# Altium PCB 蓝桥1.4.PcbDoc (part 2 of 2)
Units mm, origin at the board's own origin, x right, y up, seen from the top; angles counter-clockwise.
Board outline 175.02 x 129.02 mm, 2 copper layers (Top Layer, Bottom Layer); 128 components, 128 nets, 604 pads, 147 vias.
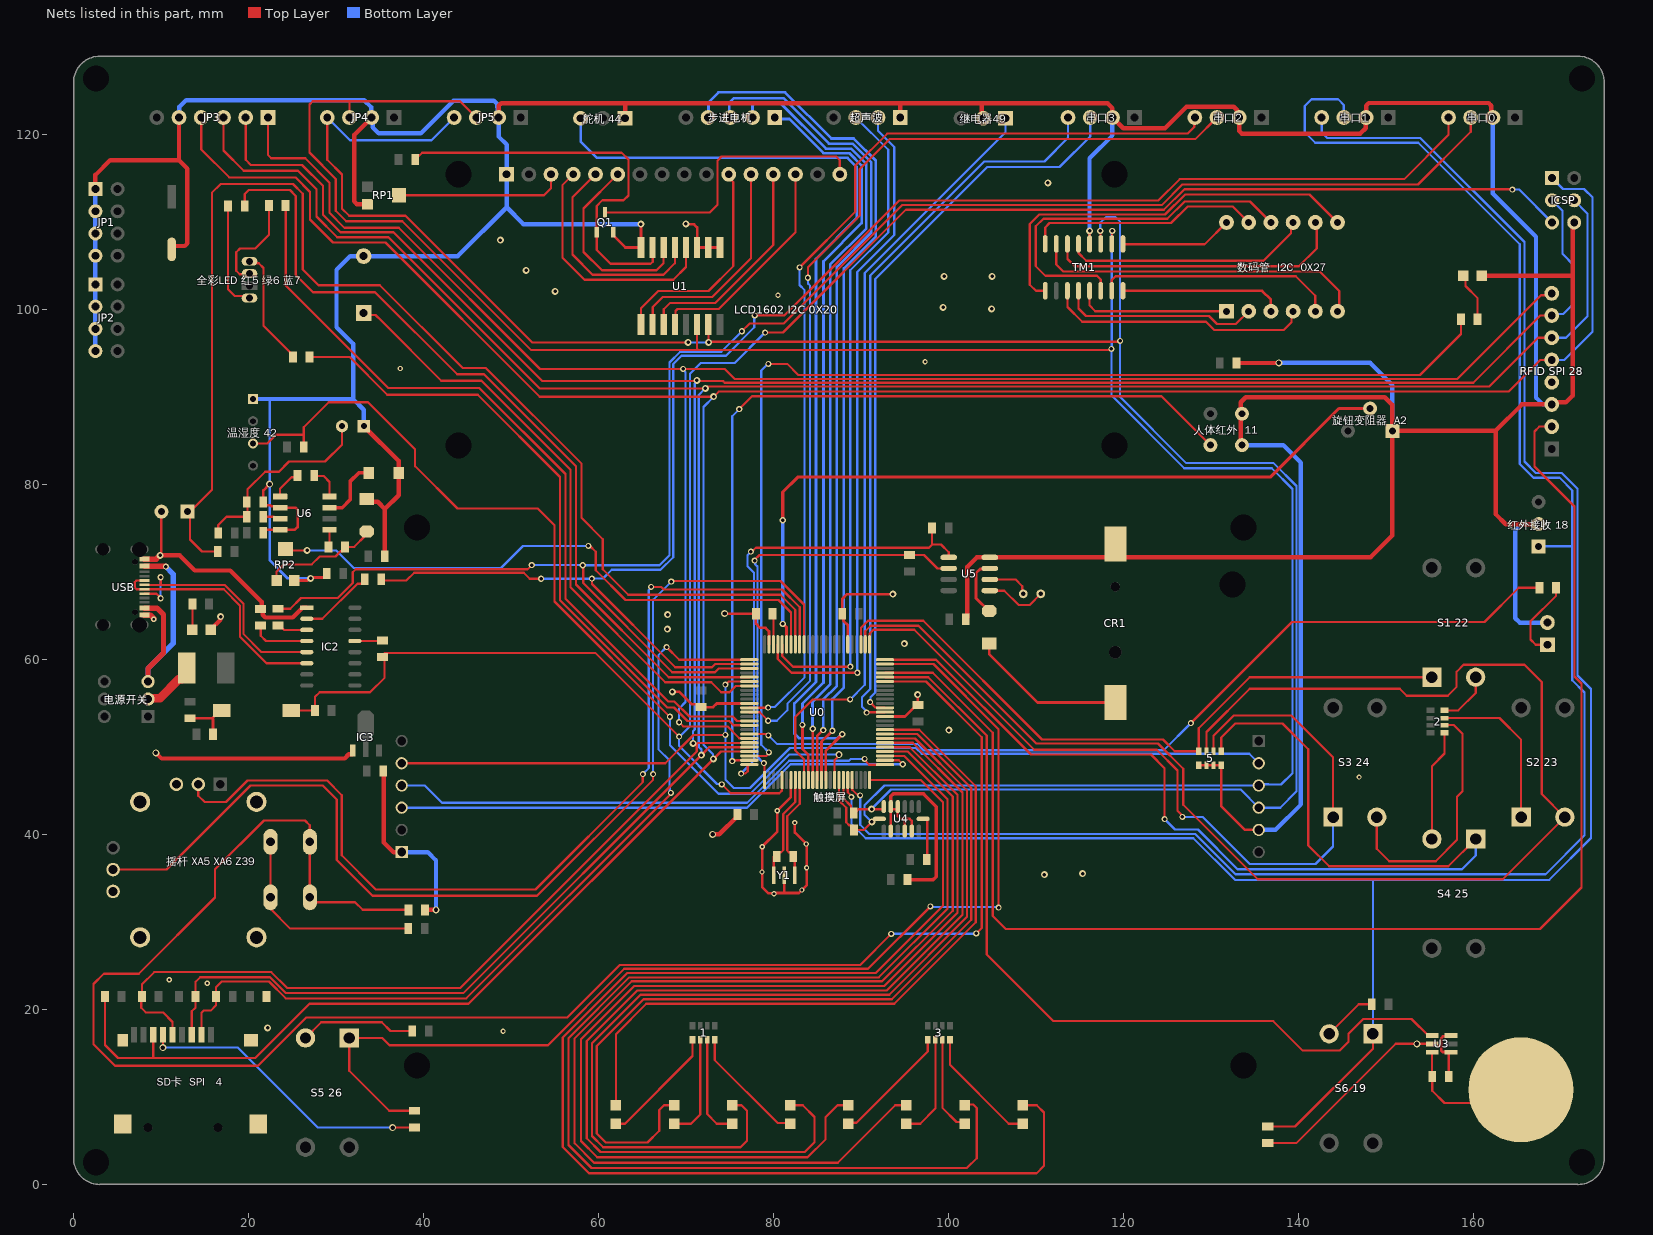
[diagram p2: the nets of this part, all layers, seen from the top]

## Via types
v1: diameter 0.7, hole 0.4, Top Layer to Bottom Layer, 70 vias
v2: diameter 0.8, hole 0.4, Top Layer to Bottom Layer, 51 vias
v3: diameter 0.6, hole 0.3, Top Layer to Bottom Layer, 16 vias
v4: diameter 0.8, hole 0.5, Top Layer to Bottom Layer, 10 vias

## Nets (pads, with @x,y where several pads share a name; then routed paths per layer and width w, separated by ;. In a path a pad name is that pad's centre, name@x,y a point inside that pad or via, vN(x,y) a via of type N, cw(c..) or ccw(c..) an arc to the next point about the centre after c; other vN are vias at no path point) (continued)
GND: 5.1 5.2 5.3 5.4 "LCD1602 I2C 0X20.1" "RFID SPI 28.3" "RFID SPI 28.4" "SD卡  SPI   4.6" "SD卡  SPI   4.10" "人体红外  11.1" "人体红外  11.2" "声音   A3.1" "摇杆 XA5 XA6 Z39.1" "摇杆 XA5 XA6 Z39.2" "摇杆 XA5 XA6 Z39.3" "摇杆 XA5 XA6 Z39.3_VR1" "摇杆 XA5 XA6 Z39.3_VR2" "摇杆 XA5 XA6 Z39.4" "旋钮变阻器  A2.1" "温湿度 42.4" "红外发射  9.2" "红外接收 18.2" "舵机 44.1" "蜂鸣器  3.2" C2.1 C3.1 C6.1 C7.2 C8.2 C9.2 C10.2 C11.1 C13.1 C14.1 C15.2 C16.1 C17.2 C18.1 C19.1 C20.2 C21.1 CA1.2 CR1.2 DZ1.1 E1.2 IC2.1 IC3.1 ICSP.6 JP1.1 JP1.3 JP1.5 JP1.7 JP2.1 JP2.3 JP2.5 JP2.7 JP3.5 JP4.2 JP5.2 LED9.2 LED10.2 PC1.1 Q1.2 R21.2 R22.1 R23.1 REST.2 RP1.3 RP2.3 TM1.4 U0.11 U0.32 U0.62 U0.81 U0.99 U1.1 U1.2 U1.3 U1.8 U3.2 U3.4 U3.6 U4.2 U4.4 U4.5 U4.11 U4.12 U5.4 U6.2 U6.4 USB.A1-B12 USB.B1-A12 Y1.2 串口0.2 串口1.2 串口2.2 串口3.2 光敏.2 继电器49.2 触摸屏.1 触摸屏.8 超声波.1 | length 948.1
  Top Layer w0.254: v4(10.2,15.65) 10.2,17.127 ; v4(36.475,6.5) 36.5,6.525 R22.1@38.975,6.525 ; R23.1@136.525,4.725 139.8,4.725 151.15,16.075 v4(153.575,16.075)
  Top Layer w0.305: v2@9.825,71.975 10.025,72.175 光敏.2@10.025,76.925 ; CA1.2@11.195,106.93 CA1.2@11.2,106.925 ; C11.1@13.275,53.3 15.813,53.3 ; C2.1@15.925,51.475 15.925,53.188 15.813,53.3 ; REST.2@16.938,54.175 16.688,54.175 15.813,53.3 ; C3.1@21.676,74.51 21.676,74.527 21.993,74.845 U6.4@23.6,74.845 25.27,74.845 25.6,75.175 25.6,77.15 25.365,77.385 U6.2@23.6,77.385 23.454,77.531 22.594,77.531 22.45,77.675 22.043,77.675 C16.1@21.725,77.993 ; C16.1@21.676,78.05 21.676,79.351 v4(22.4,80.075) ; RP2.3@25.2,69.05 26.716,69.05 26.966,69.3 v2(27.1,69.3) 27.192,69.392 28.633,69.392 28.925,69.684 C15.2@28.925,69.875 ; Q1.2@61.7,108.857 61.7,108.507 63.082,107.125 U1.8@64.88,107.125 64.865,107.14 64.865,109.785 v2(64.85,109.8) v2@64.862,109.812 ; v2(68.45,56.325) 69.25,56.325 70.682,54.893 71.407,54.893 C8.2@71.725,54.575 73.1,54.575 73.525,55 U0.11@77.253,55 ; v2@69.987,109.812 v2(70,109.825) 70.05,109.775 70.925,109.775 71.28,109.42 U1.3@71.28,107.125 U1.2@72.55,107.125 U1.1@73.87,107.125 ; v4(74.425,65.275) 74.45,65.25 C6.1@78,65.25 78,64.125 78.475,63.65 79.1,63.65 79.506,63.244 U0.99@79.506,61.752 ; v3@78.725,38.45 78.725,34 79.438,33.287 80.037,33.287 80.075,33.325 81.3,33.325 ; v3(78.725,38.613) 80.45,40.338 80.45,42.75 82.006,44.306 U0.32@82.006,46.248 ; Y1.2@81.25,35.35 81.25,33.375 81.3,33.325 ; v3(82.45,41.375) 82.45,40.25 83.8,38.9 v3(83.8,36.2) 83.8,34.2 v3(83.263,33.663) 82.925,33.325 81.3,33.325 ; U0.81@88.506,61.752 88.506,63.944 88.025,64.425 88.025,65.1 C10.2@87.875,65.25 87.875,66.95 88.425,67.5 v2(93.675,67.5) ; U0.62@92.758,53.5 95.035,53.5 96.36,54.825 C9.2@96.55,54.825 96.5,54.875 v2(96.5,56) ; U4.2@93.425,40.702 93.425,42.897 94.225,42.897 94.225,42.125 94.55,41.8 95.025,41.8 ; U4.4@95.025,40.702 95.025,41.8 ; U4.5@95.825,40.702 95.825,41.55 95.575,41.8 95.025,41.8 ; v2(116.15,109.025) 116.155,109.02 116.155,107.547 TM1.4@116.16,107.542 ; 5.1@128.645,47.925 5.2@129.525,47.925 5.3@130.325,47.925 5.4@131.205,47.925 131.205,43.245 133.91,40.54 触摸屏.8@135.5,40.54 ; v4(153.575,16.075) 153.582,16.068 U3.2@155.321,16.068 155.469,15.92 156.325,15.92 ; C19.1@157.225,12.35 157.225,14.97 157.373,15.118 U3.4@157.471,15.118 157.439,15.15 156.5,15.15 156.35,15.3 156.35,16.7 156.575,16.925 157.378,16.925 U3.6@157.471,17.018
  Top Layer w0.406: U4.12@93.425,43.2 93.425,44.375 93.7,44.65 97.175,44.65 97.325,44.5 98.625,43.2 98.625,35.2 98.25,34.825 95.375,34.825 C17.2@95.325,34.875
  Top Layer w0.508: JP1.1@2.48,113.81 2.48,115.43 4.16,117.11 12.04,117.11 ; v4(9.4,49.35) 10.05,48.7 30.977,48.7 31.454,49.177 31.829,49.177 31.9,49.248 IC3.1@31.9,49.623 ; v2(9.875,71.925) 12.125,71.925 13.85,70.2 17.9,70.2 21.5,66.6 21.5,65.925 C14.1@21.375,65.8 ; CA1.2@11.2,106.925 11.2,107.073 11.427,107.3 12.702,107.3 13,107.598 13,116.15 12.04,117.11 ; JP3.5@12.04,122 12.04,117.11 ; LED10.2@15.65,63.45 16.744,64.544 16.744,64.869 v2(16.8,64.925) ; C14.1@21.6,65.61 21.6,65.123 21.898,64.825 25.036,64.825 26.156,65.945 IC2.1@26.648,65.945 ; 33.175,86.7 37.15,82.725 E1.2@37.15,81.35 37.15,78.8 35.575,77.225 ; DZ1.1@33.5,78.355 33.806,78.049 34.751,78.049 35.575,77.225 ; RP1.3@33.6,112.1 32.373,112.1 32.075,112.398 32.075,120.005 JP4.2@34.07,122 ; C13.1@35.45,47.5 35.45,44 35.45,39.1 36.575,37.975 37.475,37.975 触摸屏.1@37.5,38 ; PC1.1@35.575,71.825 35.575,77.225 ; R21.2@40.175,31.4 v4(41.425,31.4) ; JP5.2@48.58,122 48.58,123.327 48.878,123.625 63.05,123.625 63.04,123.615 ; 63.04,121.908 63.04,123.615 ; v4(73.05,40.025) 73.816,40.025 75.9,42.11 C7.2@75.9,42.3 ; 超声波.1@94.51,122 94.5,122.01 94.5,123.615 ; C20.2@102,64.625 102.183,64.808 102.183,70.608 103.28,71.705 U5.4@104.75,71.705 148.28,71.705 150.775,74.2 150.775,86.175 ; 继电器49.2@104,121.908 103.85,122.058 103.85,123.615 ; C21.1@132.95,93.925 137.775,93.925 v4(137.8,93.95) ; 133.571,84.529 133.425,84.675 133.425,89.425 134,90 149.9,90 150.775,89.125 150.775,86.175 ; LED9.2@161,103.9 171.35,103.9 171.4,103.85 ; 串口0.2@162.27,122 162.075,122.195 162.075,123.352 161.777,123.65 148.075,123.65 147.77,123.345 串口1.2@147.77,122 147.728,121.958 147.728,120.778 147.105,120.155 133.568,120.155 133.27,120.453 串口2.2@133.27,122 133.042,122.228 133.042,122.831 132.642,123.231 127.24,123.231 124.778,120.769 120.001,120.769 串口3.2@118.77,122 118.77,123.06 118.215,123.615 103.85,123.615 ; 167.5,75.5 163.725,75.5 162.575,76.65 162.575,86.175 ; ICSP.6@171.57,109.99 171.4,109.82 171.4,103.85 ; 63.04,123.615 94.5,123.615 ; 94.5,123.615 103.85,123.615 ; 150.775,86.175 162.575,86.175 ; 162.575,86.175 165.59,89.19 169,89.19 169.222,89.412 170.612,89.412 171.4,90.2 171.4,103.85
  Top Layer w0.635: USB.B1-A12@8.09,65.1 8.778,65.1 9.15,64.728 v3(9.15,64.625) ; USB.A1-B12@8.09,71.5 9.427,71.5 9.852,71.925 v2(9.875,71.925)
  Bottom Layer w0.254: v4(10.2,15.65) 18.763,15.65 27.913,6.5 v4(36.475,6.5)
  Bottom Layer w0.305: 22.375,89.81 22.4,89.785 v4(22.4,80.075) 22.4,71.375 24.475,69.3 v2(27.1,69.3)
  Bottom Layer w0.508: JP2.7@2.48,95.29 JP2.5@2.48,97.83 JP2.3@2.48,100.37 JP2.1@2.48,102.91 JP1.7@2.48,106.19 JP1.5@2.48,108.73 JP1.3@2.48,111.27 JP1.1@2.48,113.81 ; JP3.5@12.04,122 12.089,122.049 12.089,123.214 12.85,123.975 33.225,123.975 34.003,123.197 34.003,122.067 34.192,121.878 34.192,120.858 34.875,120.175 39.675,120.175 43.425,123.925 48.05,123.925 48.45,123.525 48.45,123.175 48.471,123.154 48.471,122.433 JP5.2@48.742,122.162 ; 20.5,89.81 22.375,89.81 31.94,89.81 ; 33.175,86.7 33.175,88.575 31.94,89.81 ; 触摸屏.1@37.5,38 40.475,38 41.425,37.05 v4(41.425,31.4) ; JP5.2@48.58,122 48.58,119.82 49.5,118.9 49.5,115.5 49.5,111.725 ; v2(64.85,109.8) 51.425,109.8 49.5,111.725 ; v2(116.15,109.025) 116.15,117.325 118.77,119.945 串口3.2@118.77,122 ; 133.571,84.529 138.321,84.529 140.325,82.525 140.325,43.45 137.415,40.54 触摸屏.8@135.5,40.54 ; v4(137.8,93.95) 148.225,93.95 150.775,91.4 150.775,86.175 ; 串口0.2@162.27,122 162.27,113.305 167.2,108.375 167.2,89.975 167.985,89.19 169,89.19 ; 167.5,75.5 165.525,75.5 164.825,74.8 164.825,64.748 165.328,64.245 168.5,64.245 ; 31.94,89.81 31.94,96.123 30.05,98.013 30.05,104.575 31.625,106.15 43.925,106.15 49.5,111.725
  other v2: 22.175,17.9 111,35.425 115.35,35.525 100.075,51.95 94.975,61.825 67.875,63.5 67.9,65.15 104.95,100.125 99.4,100.275 55.033,102.106 99.525,103.825 105.025,103.825 51.733,104.519 48.778,107.967 111.375,114.525
  other v3: 49.1,17.525 15.275,23 10.925,23.4 80.075,33.25 78.7,35.725 83.75,38.925 80.45,42.725 146.975,46.575 37.35,93.3 97.35,94.075 80.525,101.675
MISO: "RFID SPI 28.5" "SD卡  SPI   4.7" ICSP.1 JP3.4 R13.1 U0.22 | length 339.7
  Top Layer w0.254: R13.1@3.575,21.475 3.575,15.95 5.075,14.45 9.025,14.45 ; 9.1,17.127 9.1,14.525 9.025,14.45 ; JP3.4@14.58,122 14.58,118.345 17.775,115.15 25.35,115.15 27.025,113.475 27.025,110.325 29.65,107.7 35.65,107.7 53.275,90.075 v2(73.175,90.075) 73.75,90.65 164.05,90.65 167.67,94.27 169,94.27 ; U0.22@77.253,49.5 74,49.5 v2(73.15,48.65) 45.15,20.65 26.95,20.65 20.75,14.45 9.025,14.45
  Bottom Layer w0.254: v2(73.15,48.65) 73.089,48.711 73.089,49.186 72,50.275 72,88.9 v2(73.175,90.075) ; 169,94.27 170.42,94.27 173.675,97.525 173.675,112.85 172.7,113.825 170.275,113.825 ICSP.1@169.03,115.07
MOSI: "RFID SPI 28.6" "SD卡  SPI   4.3" ICSP.4 JP3.3 R11.1 U0.21 | length 314.7
  Top Layer w0.254: 13.5,17.127 13.5,19.8 13.941,20.241 R11.1@13.941,21.475 13.941,23.166 14.475,23.7 22.45,23.7 24.275,21.875 44.55,21.875 v2(71.775,49.1) 72.175,49.5 72.675,50 U0.21@77.253,50 ; JP3.3@17.12,122 17.12,118.23 19.45,115.9 25.65,115.9 27.75,113.8 27.75,110.675 30.125,108.3 36,108.3 53.3,91 v2@72.225,91 ; v2(72.225,91.025) 72.401,91.201 72.598,91.201 72.647,91.25 161.875,91.25 167.435,96.81 169,96.81
  Bottom Layer w0.254: v2(71.775,49.1) 71.775,49.725 71.475,50.025 71.475,90.275 v2(72.225,91.025) ; 169,96.81 170.635,96.81 173.1,99.275 173.1,111 ICSP.4@171.57,112.53
Net1_1: 1.1 LED1.1 | length 13.8
  Top Layer w0.254: LED1.1@62,6.95 63.025,6.95 70.75,14.675 1.1@70.75,16.55
Net1_2: 1.2 LED2.1 | length 12
  Top Layer w0.254: LED2.1@68.643,6.95 70.575,6.95 71.63,8.005 1.2@71.63,16.55
Net1_3: 1.3 LED3.1 | length 11.8
  Top Layer w0.254: 1.3@72.43,16.55 72.43,8.045 73.525,6.95 LED3.1@75.286,6.95
Net1_4: 1.4 LED4.1 | length 14
  Top Layer w0.254: 1.4@73.31,16.55 73.31,14.215 80.5,7.025 81.854,7.025 LED4.1@81.929,6.95
Net2_5: 2.5 "S4 25.2" | length 12.7
  Top Layer w0.254: 155.3,39.5 155.3,47.825 156.75,49.275 2.5@156.75,51.645
Net2_6: 2.6 "S3 24.2" | length 29.3
  Top Layer w0.254: 149,42 149,38.375 150.425,36.95 155.725,36.95 158.175,39.4 158.175,44.325 158.8,44.95 158.8,51.525 157.8,52.525 2.6@156.75,52.525
Net2_7: 2.7 "S2 23.1" | length 18.6
  Top Layer w0.254: 2.7@156.75,53.325 163.025,53.325 165.5,50.85 165.5,42
Net2_8: 2.8 "S1 22.2" | length 6.2
  Top Layer w0.254: 2.8@156.75,54.205 158.305,54.205 160.3,56.2 160.3,58
Net3_1: 3.1 LED5.1 | length 13.8
  Top Layer w0.254: LED5.1@88.571,6.95 88.671,7.05 89.5,7.05 97.645,15.195 3.1@97.645,16.55
Net3_2: 3.2 LED6.1 | length 11.9
  Top Layer w0.254: LED6.1@95.214,6.95 96.8,6.95 98.525,8.675 3.2@98.525,16.55
Net3_3: 3.3 LED7.1 | length 11.1
  Top Layer w0.254: 3.3@99.325,16.55 99.325,8.775 100.95,7.15 101.657,7.15 LED7.1@101.857,6.95
Net3_4: 3.4 LED8.1 | length 14
  Top Layer w0.254: 3.4@100.205,16.55 100.205,13.67 106.925,6.95 LED8.1@108.5,6.95
NetC6_2: C6.2 U0.98 | length 3.5
  Top Layer w0.254: C6.2@79.9,65.25 80.006,65.144 U0.98@80.006,61.752
NetC12_2: C12.2 IC2.13 | length 3
  Top Layer w0.254: IC2.13@32.152,62.135 C12.2@35.16,62.135
NetC14_2: C14.2 IC2.4 | length 6.7
  Top Layer w0.254: C14.2@21.375,63.9 21.375,62.75 21.99,62.135 IC2.4@26.648,62.135
NetC16_2: "声音   A3.2" C16.2 C23.1 R24.1 | length 22.8
  Top Layer w0.254: R24.1@16.525,74.5 16.525,75.4 17.475,76.35 C23.1@19.776,76.35 C23.1@19.825,76.3 ; C23.1@19.875,76.35 19.875,79.475 21.895,81.495 23.47,81.495 24.625,82.65 28.725,82.65 30.667,84.592 30.667,86.692 30.675,86.7
NetC19_2: "触摸按键  29.1" C19.2 U3.3 | length 15.8
  Top Layer w0.254: U3.3@155.321,15.118 155.321,12.354 C19.2@155.325,12.35 155.325,10.725 156.75,9.3 163.95,9.3 165.475,10.825
NetC22_1: C22.1 U6.8 | length 3.7
  Top Layer w0.254: C22.1@27.5,81.05 27.55,81 28.575,81 29.25,80.325 U6.8@29.25,78.655
NetC22_2: C22.2 U6.1 | length 3.5
  Top Layer w0.254: U6.1@23.6,78.655 23.6,79.55 24.91,80.86 25.41,80.86 C22.2@25.6,81.05
NetC23_2: C23.2 U6.3 | length 1.9
  Top Layer w0.254: C23.2@21.775,76.35 22.865,76.35 23.1,76.115 U6.3@23.6,76.115
NetC24_1: C24.1 U6.5 | length 2
  Top Layer w0.254: C24.1@29.125,72.9 29.25,73.025 U6.5@29.25,74.845
NetC24_2: C24.2 DZ1.2 RP2.1 | length 13.1
  Top Layer w0.254: RP2.1@23.2,69.05 23.2,70.051 24.049,70.9 27.225,70.9 28.125,71.8 29.925,71.8 30.517,72.392 30.707,72.392 31.025,72.709 C24.2@31.025,72.9 32.075,72.9 33.375,74.2 DZ1.2@33.5,74.2
NetCR1_1: CR1.1 D1.1 | length 17.9
  Top Layer w0.305: D1.1@104.675,61.845 104.675,60.65 110.227,55.098 CR1.1@119.1,55.098
NetD1_2: D1.2 U5.3 | length 6.8
  Top Layer w0.305: D1.2@104.675,65.555 104.645,65.555 103.175,67.025 103.175,69.9 103.654,70.379 104.694,70.379 U5.3@104.75,70.435
NetE1_1: E1.1 U6.7 | length 7.5
  Top Layer w0.254: E1.1@33.75,81.25 E1.1@33.75,81.35
  Top Layer w0.406: U6.7@29.25,77.385 30.71,77.385 31.6,78.275 31.6,80.375 32.575,81.35 E1.1@33.75,81.35
NetF1_2: F1.2 电源开关.2 | length 6.3
  Top Layer w1.016: 电源开关.2@8.5,55.5 8.593,55.593 9.868,55.593 12.083,57.808 12.408,57.808 12.9,58.3 F1.2@12.9,59.05
NetIC2_2: IC2.2 RN6.1 | length 8.6
  Top Layer w0.254: IC2.2@26.648,64.675 28.425,64.675 32.442,68.692 32.957,68.692 33.275,69.009 RN6.1@33.275,69.2
NetIC2_3: IC2.3 RN5.1 | length 3.5
  Top Layer w0.254: RN5.1@23.35,63.925 23.541,63.925 24.061,63.405 IC2.3@26.648,63.405
NetIC2_5: IC2.5 USB.A6 USB.B6 | length 29.2
  Top Layer w0.254: USB.B6@8.09,67.55 9.475,67.55 9.925,67.1 v1(9.925,67.025) ; USB.A6@8.09,68.55 9.95,68.55 ; v1(9.925,69.425) 9.95,69.4 9.95,68.55 ; IC2.5@26.648,60.865 21.485,60.865 19.4,62.95 19.4,66.425 17.275,68.55 9.95,68.55
  Bottom Layer w0.254: v1(9.925,67.025) v1(9.925,69.425)
NetIC2_6: IC2.6 USB.A7 USB.B7 | length 27.1
  Top Layer w0.254: USB.B7@8.09,69.05 7.175,69.05 6.975,68.85 6.975,68.25 7.175,68.05 USB.A7@8.09,68.05 17.15,68.05 19,66.2 19,62.65 22.055,59.595 IC2.6@26.648,59.595
"NetLCD1602 I2C 0X20_3": "LCD1602 I2C 0X20.3" RP1.2 | length 19.3
  Top Layer w0.254: RP1.2@37.2,113.1 53.775,113.1 54.58,113.905 54.58,115.5
"NetLCD1602 I2C 0X20_4": "LCD1602 I2C 0X20.4" U1.4 | length 28
  Top Layer w0.254: 57.12,115.5 55.875,114.255 55.875,105.975 58.4,103.45 68.55,103.45 70.01,104.91 U1.4@70.01,107.125
"NetLCD1602 I2C 0X20_5": "LCD1602 I2C 0X20.5" U1.5 | length 25.3
  Top Layer w0.254: 59.66,115.5 57.025,112.865 57.025,106.325 59.325,104.025 67.45,104.025 68.74,105.315 U1.5@68.74,107.125
"NetLCD1602 I2C 0X20_6": "LCD1602 I2C 0X20.6" U1.6 | length 22.6
  Top Layer w0.254: 62.2,115.5 58.3,111.6 58.3,106.625 60.4,104.525 66.643,104.525 67.433,105.315 67.433,107.088 U1.6@67.47,107.125
"NetLCD1602 I2C 0X20_11": "LCD1602 I2C 0X20.11" U1.9 | length 25.1
  Top Layer w0.254: U1.9@64.88,98.325 64.88,100.205 66.825,102.15 72.575,102.15 75.425,105 75.425,114.625 74.9,115.15 74.9,115.5
"NetLCD1602 I2C 0X20_12": "LCD1602 I2C 0X20.12" U1.10 | length 25.2
  Top Layer w0.254: U1.10@66.2,98.325 66.2,100.325 67.35,101.475 73.025,101.475 77.44,105.89 77.44,115.5
"NetLCD1602 I2C 0X20_13": "LCD1602 I2C 0X20.13" U1.11 | length 25.4
  Top Layer w0.254: U1.11@67.47,98.325 67.47,100.07 68.2,100.8 73.375,100.8 79.98,107.405 79.98,115.5
"NetLCD1602 I2C 0X20_14": "LCD1602 I2C 0X20.14" U1.12 | length 25.6
  Top Layer w0.254: U1.12@68.74,98.325 68.802,98.387 68.802,99.862 69.04,100.1 73.75,100.1 82.52,108.87 82.52,115.5
"NetLCD1602 I2C 0X20_16": "LCD1602 I2C 0X20.16" Q1.3 | length 34.2
  Top Layer w0.254: Q1.3@60.75,111.143 72.718,111.143 73.625,112.05 73.625,117.075 74.075,117.525 87.175,117.525 87.6,117.1 87.6,115.5
NetLED1_2: LED1.2 U0.59 | length 83.2
  Top Layer w0.254: LED1.2@62,9.05 62,17.175 65.475,20.65 93.825,20.65 103.15,29.975 103.15,45.525 96.675,52 U0.59@92.758,52
NetLED2_2: LED2.2 U0.58 | length 98.7
  Top Layer w0.254: LED2.2@68.643,9.05 67.5,9.05 66.95,8.5 66.95,6.15 65.6,4.8 60.825,4.8 59.8,5.825 59.8,15.825 65.15,21.175 93.55,21.175 102.625,30.25 102.625,45.325 96.45,51.5 U0.58@92.758,51.5
NetLED3_2: LED3.2 U0.57 | length 109.7
  Top Layer w0.254: LED3.2@75.286,9.05 76.35,9.05 76.975,8.425 76.975,4.986 76.239,4.25 60.55,4.25 59.25,5.55 59.25,16.15 64.8,21.7 93.25,21.7 102.125,30.575 102.125,45.075 96.2,51 U0.57@92.758,51
NetLED4_2: LED4.2 U0.56 | length 118.7
  Top Layer w0.254: LED4.2@81.929,9.05 83.35,9.05 84.7,7.7 84.7,4.825 83.575,3.7 60.225,3.7 58.65,5.275 58.65,16.4 64.425,22.175 92.975,22.175 101.625,30.825 101.625,44.825 95.95,50.5 U0.56@92.758,50.5
NetLED5_2: LED5.2 U0.55 | length 120
  Top Layer w0.254: LED5.2@88.571,9.05 87.325,9.05 85.975,7.7 85.975,5.175 83.9,3.1 59.875,3.1 58,4.975 58,16.6 64.1,22.7 92.675,22.7 101.05,31.075 101.05,44.55 95.6,50 U0.55@92.758,50
NetLED6_2: LED6.2 U0.54 | length 125.8
  Top Layer w0.254: U0.54@92.758,49.5 95.35,49.5 100.5,44.35 100.5,31.3 92.425,23.225 63.8,23.225 57.275,16.7 57.275,4.7 59.5,2.475 87.35,2.475 93.925,9.05 LED6.2@95.214,9.05
NetLED7_2: LED7.2 U0.53 | length 139
  Top Layer w0.254: U0.53@92.758,49 94.95,49 99.925,44.025 99.925,31.55 92.05,23.675 63.525,23.675 56.575,16.725 56.575,4.5 59.2,1.875 102.125,1.875 103.25,3 103.25,8.75 102.855,9.145 101.952,9.145 LED7.2@101.857,9.05
NetLED8_2: LED8.2 U0.50 | length 149
  Top Layer w0.254: U0.50@91.006,46.248 96.852,46.248 99.4,43.7 99.4,31.875 91.7,24.175 63.3,24.175 55.925,16.8 55.925,4.275 58.925,1.275 110.1,1.275 110.95,2.125 110.95,8.225 110.125,9.05 LED8.2@108.5,9.05
NetLED9_1: LED9.1 R15.2 | length 5.7
  Top Layer w0.254: LED9.1@159.131,104.013 159.131,102.719 160.525,101.325 R15.2@160.525,98.925
NetLED10_1: LED10.1 RN1.2 | length 2.6
  Top Layer w0.254: RN1.2@13.575,66.375 13.575,63.83 LED10.1@13.605,63.8
NetQ1_1: Q1.1 R8.2 U1.7 | length 47.2
  Top Layer w0.254: R8.2@39.05,117.175 39.05,117.365 39.291,117.607 39.482,117.607 39.85,117.975 62.65,117.975 63.425,117.2 63.425,113.075 62.875,112.525 60.45,112.525 59.8,111.875 Q1.1@59.8,108.857 59.8,106.85 61.375,105.275 65.962,105.275 66.2,105.513 U1.7@66.2,107.125
NetR1_1: R1.1 U0.33 Y1.1 | length 11.9
  Top Layer w0.254: Y1.1@80.05,35.35 R1.1@80.05,37.475 ; R1.1@80.375,37.475 80.375,37.665 80.692,37.983 80.883,37.983 81.125,38.225 81.125,42.35 82.506,43.731 U0.33@82.506,46.248
NetR1_2: R1.2 U0.34 Y1.3 | length 11.9
  Top Layer w0.254: R1.2@82.275,37.475 82.275,37.665 81.957,37.983 81.767,37.983 81.575,38.175 81.575,42.1 83.006,43.531 U0.34@83.006,46.248 ; Y1.3@82.45,35.35 R1.2@82.45,37.475
NetR5_1: "全彩LED 红5 绿6 蓝7.1" R5.1 | length 12.3
  Top Layer w0.254: R5.1@17.65,111.875 17.65,102.35 18.425,101.575 20.1,101.575
NetR6_1: "全彩LED 红5 绿6 蓝7.3" R6.1 | length 11.7
  Top Layer w0.254: 20.1,104.075 18.975,104.075 18.575,104.475 18.575,106.575 19.025,107.025 20.746,107.025 22.325,108.604 R6.1@22.325,111.95
NetR7_1: "全彩LED 红5 绿6 蓝7.4" R7.1 | length 13.4
  Top Layer w0.254: 20.1,105.325 21.15,105.325 21.7,104.775 21.7,98.19 25.075,94.815 R7.1@25.075,94.625
NetR9_2: "红外发射  9.1" R9.2 | length 9.3
  Top Layer w0.254: 168.5,61.705 167.17,61.705 166.575,62.3 166.575,64.4 169.5,67.325 R9.2@169.5,68.225
NetR14_1: R14.1 U4.7 | length 5.4
  Top Layer w0.254: U4.7@96.722,41.8 96.779,41.743 97.432,41.743 97.6,41.575 97.6,37.225 R14.1@97.55,37.175
NetR18_1: "S5 26.2" R18.1 | length 13.4
  Top Layer w0.254: 26.5,16.75 28.3,18.55 35.225,18.55 36.225,17.55 R18.1@38.7,17.55
NetR19_2: "S6 19.2" R19.2 | length 6.4
  Top Layer w0.254: 143.55,17.225 146.925,20.6 R19.2@148.425,20.6 R19.2@148.55,20.475
NetR20_2: "摇杆 XA5 XA6 Z39.a" "摇杆 XA5 XA6 Z39.c" R20.2 | length 24.3
  Top Layer w0.254: 22.5,39.175 22.5,32.825 22.5,31.525 24.775,29.25 R20.2@38.25,29.25
NetTM1_1: "数码管  I2C  0X27.12" TM1.1 | length 12.9
  Top Layer w0.254: TM1.1@119.97,107.542 120.012,107.5 129.31,107.5 131.81,110
NetTM1_5: "数码管  I2C  0X27.9" TM1.5 | length 28.3
  Top Layer w0.254: TM1.5@114.89,107.542 114.9,107.532 114.9,106.5 115.775,105.625 136.05,105.625 139.194,108.769 139.194,109.764 139.43,110
NetTM1_6: "数码管  I2C  0X27.8" TM1.6 | length 34.5
  Top Layer w0.254: TM1.6@113.62,107.542 113.62,105.805 114.45,104.975 140.075,104.975 142.125,107.025 142.125,109.845 141.97,110
NetTM1_7: "数码管  I2C  0X27.6" TM1.7 | length 38.4
  Top Layer w0.254: TM1.7@112.35,107.542 112.35,105.175 113.125,104.4 142.45,104.4 144.7,102.15 144.7,100.03 144.51,99.84